# Allegro board 038RT-9068CJK8E-A100_0921.brd (continued)
## Nets (continued)
DGND: ATX1.3(GND(1)) ATX1.5(GND(2)) ATX1.7(GND(3)) ATX1.15(GND(4)) ATX1.17(GND(5)) ATX1.18(GND(6)) ATX1.19(GND(7)) ATX1.24(GND) ATX_PWCT.2 BD15.2 BD16.2 BD17.1 BD18.1 BDB1.2 BDB2.2 BDB3.2 BDB4.2 BDB5.2 BDB6.2 BDB7.2 BDB8.2 BDG15.2 BDG16.2 BDG17.1 BDG18.1 BDH11.1 BDH12.1 BDH13.1 BDH14.1 BDH21.1 BDH22.1 BDH23.1 BDH24.1 BST1.6(GND) C13.2 C18.2 C19.2 C75.1 C76.1 C78.2 C79.2 C119.2 C144.2 C145.2 C168.1 C169.1 C171.2 C172.2 C173.2 C174.1 C174.2 C175.1 C175.2 C176.1 C176.2 C177.1 C177.2 C178.1 C178.2 C181.2 C182.2 C185.2 C194.2 C197.2 C209.2 C213.2 C214.2 C217.2 C220.2 C292.2 C319.1 C319.2 C320.1 C320.2 C321.1 C321.2 C322.1 C322.2 C323.1 C323.2 C324.2 C325.2 C375.2 C379.2 C391.2 C399.2 C406.2 C418.2 C427.2 C436.2 C439.2 C440.2 C441.2 C442.2 CA1.2 CA2.2 CA3.2 CA4.2 CA5.2 CA6.2 CA11.2 CB243.2 CB244.2 CB246.2 CB247.2 CB249.2 CB250.2 CB253.2 CB254.2 CB256.2 CB257.2 CB259.2 CB260.2 CD1.2 CD2.2 CD3.2 CD4.2 CD5.2 CD6.2 CD7.2 CD8.2 CD9.2 CD10.2 CD11.2 CD12.2 CD13.2 CD14.2 CD15.2 CD16.2 CD17.2 CD18.2 CD19.2 CD20.2 CD21.2 CD22.2 CD23.2 CD24.2 CD25.2 CD26.2 CD27.2 CD28.2 CD29.2 CD30.2 CD31.2 CD32.2 CD33.2 CD34.2 CD35.2 CD36.2 CD37.2 CD38.2 CD39.2 CD40.2 CD41.2 CD42.2 CD43.2 CD44.2 CD45.2 CD46.2 CD47.2 CD48.2 CD49.2 CD50.2 CD51.2 CD52.2 CD53.2 CD54.2 CD55.2 CD56.2 CD57.2 CD58.2 CD59.2 CD60.2 CD61.2 CD62.2 CD63.2 CD64.2 CD65.2 CD66.2 CD67.2 CD68.2 CD69.2 CD70.2 CD71.2 CD72.2 CD73.2 CD74.2 CD75.2 CD76.2 CD77.2 CD78.2 CD79.2 CD80.2 CD81.2 CD82.2 CD83.2 CD84.2 CD85.2 CD86.2 CD87.2 CD88.2 CD89.2 CD91.2 CD92.2 CD93.2 CD94.2 CD95.2 CD97.2 CD98.2 CD99.2 CD100.2 CD104.2 CD105.2 CD106.2 CD107.2 CD108.2 CD109.2 CD110.2 CD111.2 CD112.2 CD113.2 CD115.2 CD116.2 CD117.2 CD118.2 CD119.2 CD120.2 CD121.2 CD122.2 CD123.2 CD124.2 CD125.2 CD126.2 CD127.2 CD128.2 CD129.2 CD130.2 CD131.2 CD132.2 CD133.2 CD134.2 CD135.2 CD136.2 CD137.2 CD138.2 CD139.2 CD140.2 CD141.2 CD142.2 CD143.2 CD144.2 CD145.2 CD146.2 CD147.2 CD148.2 CD149.2 CD150.2 CD151.2 CD152.2 CD154.2 CD155.2 CD156.2 CD157.2 CD158.2 CD159.2 CD160.2 CD161.2 CD162.2 CD163.2 CD164.2 CD165.2 CD166.2 CD167.2 CD168.2 CD169.2 CD170.2 CD171.2 CD172.2 CD173.2 CD174.2 CD175.2 CD176.2 CD177.2 CD178.2 CD179.2 CD180.2 CD181.2 CD182.2 CD183.2 CF1.2 CG1.2 CG2.2 CG3.2 CG4.2 CG5.2 CG6.2 CG7.2 CG8.2 CG9.2 CG10.2 CG11.2 CG12.2 CG13.2 CG14.2 CG15.2 CG16.2 CG17.2 CG18.2 CG19.2 CG20.2 CG21.2 CG22.2 CG23.2 CG24.2 CG25.2 CG26.2 CG27.2 CG28.2 CG29.2 CG30.2 CG31.2 CG32.2 CG33.2 CG34.2 CG35.2 CG36.2 CG37.2 CG38.2 CG39.2 CG40.2 CG41.2 CG42.2 CG43.2 CG44.2 CG45.2 CG46.2 CG47.2 CG48.2 CG49.2 CG50.2 CG51.2 CG52.2 CG53.2 CG54.2 CG55.2 CG56.2 CG57.2 CG58.2 CG59.2 CG60.2 CG61.2 CG62.2 CG63.2 CG64.2 CG65.2 CG66.2 CG67.2 CG68.2 CG69.2 CG70.2 CG71.2 CG72.2 CG73.2 CG74.2 CG75.2 CG76.2 CG77.2 CG78.2 CG79.2 CG80.2 CG81.2 CG82.2 CG83.2 CG84.2 CG85.2 CG86.2 CG87.2 CG88.2 CG89.2 CG91.2 CG92.2 CG93.2 CG94.2 CG95.2 CG97.2 CG98.2 CG99.2 CG100.2 CG101.2 CG102.2 CG103.2 CG104.2 CG105.2 CG106.2 CG107.2 CG108.2 CG109.2 CG110.2 CG111.2 CG112.2 CG113.2 CG115.2 CG116.2 CG117.2 CG118.2 CG119.2 CG120.2 CG121.2 CG122.2 CG123.2 CG124.2 CG125.2 CG126.2 CG127.2 CG128.2 CG129.2 CG130.2 CG131.2 CG132.2 CG133.2 CG134.2 CG135.2 CG136.2 CG137.2 CG138.2 CG139.2 CG140.2 CG141.2 CG142.2 CG143.2 CG144.2 CG145.2 CG146.2 CG147.2 CG148.2 CG149.2 CG150.2 CG151.2 CG152.2 CG154.2 CG155.2 CG156.2 CG158.2 CG159.2 CG161.2 CG162.2 CG163.2 CG164.2 CG165.2 CG166.2 CG167.2 CG169.2 CG170.2 CG171.2 CG172.2 CG173.2 CG174.2 CG178.2 CG179.2 CG180.2 CG181.2 CG182.2 CG183.2 CG326.2 CG327.2 CH11.2 CH21.2 CH131.2 CH141.2 CH142.2 CH152.2 CH153.1 CH154.1 CH241.2 CH242.2 CH252.2 CH253.1 CH254.1 CH1111.2 CH1112.2 CH1171.2 CH1172.2 CH1173.2 CH1174.2 CH1201.2 CH1202.2 CH1251.2 CH1252.2 CH1331.2 CH1332.2 CH1333.2 CH1334.2 CH1341.2 CH1342.2 CH1351.2 CH1352.2 CH1361.2 CH1362.2 CH1363.2 CH1364.2 CH1391.2 CH1392.2 CH1401.2 CH1402.2 CH1403.2 CH1404.2 CH1501.2 CH1502.2 CH1503.2 CH1504.2 CH1633.2 CH1634.2 CH2111.2 CH2112.2 CH2171.2 CH2172.2 CH2173.2 CH2174.2 CH2201.2 CH2202.2 CH2251.2 CH2252.2 CH2331.2 CH2341.2 CH2342.2 CH2351.2 CH2352.2 CH2361.2 CH2362.2 CH2363.2 CH2364.2 CH2391.2 CH2392.2 CH2401.2 CH2402.2 CH2403.2 CH2404.2 CH2501.2 CH2502.2 CH2503.2 CH2504.2 CH2633.2 CH2634.2 CIN1.2 CINX1.2 CM1.2 CM2.2 CM3.2 CM4.2 CM5.2 CM6.2 CM7.2 CM8.2 CM9.2 CM10.2 CM11.2 CM12.2 CM13.2 CM14.2 CM15.2 CM16.2 CON1.FG1 CON1.FG2 CON3.FG1 CON3.FG2 COUT0.2 COUT1.2 CS1.2 CS3.2 CS4.2 CS5.2 CSNS1.2 CSS1.2 CT1.2 GOLD0.A1(GND[01]) GOLD0.A9(GND[02]) GOLD0.A11(GND[03]) GOLD0.A14(GND[04]) GOLD0.A19(GND[05]) GOLD0.B2(GND[06]) GOLD0.B9(GND[07]) GOLD0.B10(GND[08]) GOLD0.B11(GND[09]) GOLD0.B19(GND[10]) GOLD0.C18(GND[11]) GOLD0.C19(GND[12]) GOLD0.D9(GND[13]) GOLD0.D10(GND[14]) GOLD0.D12(GND[15]) GOLD0.D13(GND[16]) GOLD0.D14(GND[17]) GOLD0.E8(GND[18]) GOLD0.E9(GND[19]) GOLD0.E10(GND[20]) GOLD0.E12(GND[21]) GOLD0.E13(GND[22]) GOLD0.E14(GND[23]) GOLD0.G9(GND[24]) GOLD0.G10(GND[25]) GOLD0.G11(GND[26]) GOLD0.G12(GND[27]) GOLD0.G13(GND[28]) GOLD0.G18(P5_RXER) GOLD0.H1(P0_RXER) GOLD0.H4(AGND) GOLD0.H10(GND[29]) GOLD0.H11(GND[30]) GOLD0.J10(GND[31]) GOLD0.J11(GND[32]) GOLD0.K10(GND[33]) GOLD0.K11(GND[34]) GOLD0.L10(GND[35]) GOLD0.L11(GND[36]) GOLD0.P19(P1_RXER) GOLD0.R10(GND[37]) GOLD0.R11(GND[38]) GOLD0.R12(GND[39]) GOLD0.R13(GND[40]) GOLD0.R14(GND[41]) GOLD0.T7(GND_SERDES[01]) GOLD0.T8(GND_SERDES[02]) GOLD0.T11(GND_SERDES[03]) GOLD0.T12(GND_SERDES[04]) GOLD0.W1(GND[42]) GOLD0.W2(GND_SERDES[05]) GOLD0.W7(GND_SERDES[06]) GOLD0.W12(GND_SGMII[01]) GOLD0.W17(GND_SGMII[02]) GOLD0.W19(GND[43]) GOLD1.A1(GND[01]) GOLD1.A9(GND[02]) GOLD1.A11(GND[03]) GOLD1.A14(GND[04]) GOLD1.A19(GND[05]) GOLD1.B2(GND[06]) GOLD1.B9(GND[07]) GOLD1.B10(GND[08]) GOLD1.B11(GND[09]) GOLD1.B19(GND[10]) GOLD1.C18(GND[11]) GOLD1.C19(GND[12]) GOLD1.D9(GND[13]) GOLD1.D10(GND[14]) GOLD1.D12(GND[15]) GOLD1.D13(GND[16]) GOLD1.D14(GND[17]) GOLD1.E8(GND[18]) GOLD1.E9(GND[19]) GOLD1.E10(GND[20]) GOLD1.E12(GND[21]) GOLD1.E13(GND[22]) GOLD1.E14(GND[23]) GOLD1.G9(GND[24]) GOLD1.G10(GND[25]) GOLD1.G11(GND[26]) GOLD1.G12(GND[27]) GOLD1.G13(GND[28]) GOLD1.G18(P5_RXER) GOLD1.H1(P0_RXER) GOLD1.H4(AGND) GOLD1.H10(GND[29]) GOLD1.H11(GND[30]) GOLD1.J10(GND[31]) GOLD1.J11(GND[32]) GOLD1.K10(GND[33]) GOLD1.K11(GND[34]) GOLD1.L10(GND[35]) GOLD1.L11(GND[36]) GOLD1.P19(P1_RXER) GOLD1.R10(GND[37]) GOLD1.R11(GND[38]) GOLD1.R12(GND[39]) GOLD1.R13(GND[40]) GOLD1.R14(GND[41]) GOLD1.T7(GND_SERDES[01]) GOLD1.T8(GND_SERDES[02]) GOLD1.T11(GND_SERDES[03]) GOLD1.T12(GND_SERDES[04]) GOLD1.W1(GND[42]) GOLD1.W2(GND_SERDES[05]) GOLD1.W7(GND_SERDES[06]) GOLD1.W12(GND_SGMII[01]) GOLD1.W17(GND_SGMII[02]) GOLD1.W19(GND[43]) GOLD2.A1(GND[01]) GOLD2.A9(GND[02]) GOLD2.A11(GND[03]) GOLD2.A14(GND[04]) GOLD2.A19(GND[05]) GOLD2.B2(GND[06]) GOLD2.B9(GND[07]) GOLD2.B10(GND[08]) GOLD2.B11(GND[09]) GOLD2.B19(GND[10]) GOLD2.C18(GND[11]) GOLD2.C19(GND[12]) GOLD2.D9(GND[13]) GOLD2.D10(GND[14]) GOLD2.D12(GND[15]) GOLD2.D13(GND[16]) GOLD2.D14(GND[17]) GOLD2.E8(GND[18]) GOLD2.E9(GND[19]) GOLD2.E10(GND[20]) GOLD2.E12(GND[21]) GOLD2.E13(GND[22]) GOLD2.E14(GND[23]) GOLD2.G9(GND[24]) GOLD2.G10(GND[25]) GOLD2.G11(GND[26]) GOLD2.G12(GND[27]) GOLD2.G13(GND[28]) GOLD2.G18(P5_RXER) GOLD2.H1(P0_RXER) GOLD2.H4(AGND) GOLD2.H10(GND[29]) GOLD2.H11(GND[30]) GOLD2.J10(GND[31]) GOLD2.J11(GND[32]) GOLD2.K10(GND[33]) GOLD2.K11(GND[34]) GOLD2.L10(GND[35]) GOLD2.L11(GND[36]) GOLD2.P19(P1_RXER) GOLD2.R10(GND[37]) GOLD2.R11(GND[38]) GOLD2.R12(GND[39]) GOLD2.R13(GND[40]) GOLD2.R14(GND[41]) GOLD2.T7(GND_SERDES[01]) GOLD2.T8(GND_SERDES[02]) GOLD2.T11(GND_SERDES[03]) GOLD2.T12(GND_SERDES[04]) GOLD2.W1(GND[42]) GOLD2.W2(GND_SERDES[05]) GOLD2.W7(GND_SERDES[06]) GOLD2.W12(GND_SGMII[01]) GOLD2.W17(GND_SGMII[02]) GOLD2.W19(GND[43]) GOLD3.A1(GND[01]) GOLD3.A9(GND[02]) GOLD3.A11(GND[03]) GOLD3.A14(GND[04]) GOLD3.A19(GND[05]) GOLD3.B2(GND[06]) GOLD3.B9(GND[07]) GOLD3.B10(GND[08]) GOLD3.B11(GND[09]) GOLD3.B19(GND[10]) GOLD3.C18(GND[11]) GOLD3.C19(GND[12]) GOLD3.D9(GND[13]) GOLD3.D10(GND[14]) GOLD3.D12(GND[15]) GOLD3.D13(GND[16]) GOLD3.D14(GND[17]) GOLD3.E8(GND[18]) GOLD3.E9(GND[19]) GOLD3.E10(GND[20]) GOLD3.E12(GND[21]) GOLD3.E13(GND[22]) GOLD3.E14(GND[23]) GOLD3.G9(GND[24]) GOLD3.G10(GND[25]) GOLD3.G11(GND[26]) GOLD3.G12(GND[27]) GOLD3.G13(GND[28]) GOLD3.G18(P5_RXER) GOLD3.H1(P0_RXER) GOLD3.H4(AGND) GOLD3.H10(GND[29]) GOLD3.H11(GND[30]) GOLD3.J10(GND[31]) GOLD3.J11(GND[32]) GOLD3.K10(GND[33]) GOLD3.K11(GND[34]) GOLD3.L10(GND[35]) GOLD3.L11(GND[36]) GOLD3.P19(P1_RXER) GOLD3.R10(GND[37]) GOLD3.R11(GND[38]) GOLD3.R12(GND[39]) GOLD3.R13(GND[40]) GOLD3.R14(GND[41]) GOLD3.T7(GND_SERDES[01]) GOLD3.T8(GND_SERDES[02]) GOLD3.T11(GND_SERDES[03]) GOLD3.T12(GND_SERDES[04]) GOLD3.W1(GND[42]) GOLD3.W2(GND_SERDES[05]) GOLD3.W7(GND_SERDES[06]) GOLD3.W12(GND_SGMII[01]) GOLD3.W17(GND_SGMII[02]) GOLD3.W19(GND[43]) HOST1.15(SWR_GNDA) HOST1.45(USB_GNDA) HOST1.EP(EPAD) HOST1.G1 HOST1.G2 HOST1.G3 HOST1.G4 HOST1.G5 HOST1.G6 HOST1.G7 HOST1.G8 HOST1.G9 HOST1.G10 HOST1.G11 HOST1.G12 HOST1.G13 HOST1.G14 HOST1.G15 HOST1.G16 HOST1.G17 HOST1.G18 HOST1.G19 HOST1.G20 HOST1.G21 HOST1.G22 HOST1.G23 HOST1.G24 HOST2.15(SWR_GNDA) HOST2.45(USB_GNDA) HOST2.EP(EPAD) HOST2.G1 HOST2.G2 HOST2.G3 HOST2.G4 HOST2.G5 HOST2.G6 HOST2.G7 HOST2.G8 HOST2.G9 HOST2.G10 HOST2.G11 HOST2.G12 HOST2.G13 HOST2.G14 HOST2.G15 HOST2.G16 HOST2.G17 HOST2.G18 HOST2.G19 HOST2.G20 HOST2.G21 HOST2.G22 HOST2.G23 HOST2.G24 K6.10(NC2) K144.4(GND[1]) K144.14(GND[2]) K144.19(GND[3]) K144.21(GND[4]) K144.39(GND[5]) K144.41(GND[6]) K144.EP K145.4(GND[1]) K145.14(GND[2]) K145.19(GND[3]) K145.21(GND[4]) K145.39(GND[5]) K145.41(GND[6]) K145.EP K183.7 K184.4(GND[1]) K184.14(GND[2]) K184.19(GND[3]) K184.21(GND[4]) K184.39(GND[5]) K184.41(GND[6]) K184.EP K213.4(GND[1]) K213.14(GND[2]) K213.19(GND[3]) K213.21(GND[4]) K213.39(GND[5]) K213.41(GND[6]) K213.EP K214.4(GND[1]) K214.14(GND[2]) K214.19(GND[3]) K214.21(GND[4]) K214.39(GND[5]) K214.41(GND[6]) K214.EP K217.4(GND[1]) K217.14(GND[2]) K217.19(GND[3]) K217.21(GND[4]) K217.39(GND[5]) K217.41(GND[6]) K217.EP LDOB2.1(GND) MUX1.13(GND) MUX2.13(GND) MUX3.13(GND) MUX4.13(GND) MUX5.13(GND) MUX6.13(GND) MUX7.13(GND) MUX8.13(GND) MUX9.13(GND) MUX10.13(GND) MUX11.13(GND) MUX12.13(GND) MUX13.13(GND) MUX14.13(GND) MUX15.13(GND) MUX16.13(GND) R2.2 R3.2 R5.2 R6.2 R7.2 R9.2 R10.2 R19.2 R24.2 R26.2 R56.2 R62.2 R69.2 R105.2 R110.2 R138.1 R264.2 R275.2 R281.2 R282.2 R309.2 R343.2 R345.2 R456.2 R500.2 R519.2 R538.2 R552.1 R568.2 R569.2 R570.2 R571.2 R572.2 R573.2 R574.2 R575.2 R576.2 R577.2 RB8.2 RFB1.2 RH121.1 RH129.2 RH172.1 RH221.1 RH229.2 RH272.1 RH1511.2 RH2511.2 RL10.1 RL15.2 RL16.2 RL18.2 RL19.1 RL21.2 RL37.1 RL39.2 RL41.1 RL42.2 RL43.1 RL44.2 RL45.1 RRB1.2 RRB2.2 RRB3.2 RRB4.2 RRB5.2 RRB6.2 RRB7.2 RRB8.2 RRB9.2 RRB10.2 RRB11.2 RRB12.2 RRB13.2 RRB14.2 RRB15.2 RRB16.2 RRG49.2 RRG52.2 RRG54.2 RRG56.2 RRG58.2 RRG59.2 RRG92.2 RRG94.2 RRG96.2 RSG104.2 RSG105.2 RSG114.2 RSG115.2 RSNS1.2 RT1.2 RUV1.2 S0_DGND1.1(TP) S0_DGND2.1(TP) S0_DGND3.1(TP) S0_DGND4.1(TP) S1_DGND1.1(TP) S1_DGND2.1(TP) S1_DGND3.1(TP) S1_DGND4.1(TP) S2_DGND1.1(TP) S2_DGND2.1(TP) S2_DGND3.1(TP) S2_DGND4.1(TP) S3_DGND1.1(TP) S3_DGND2.1(TP) S3_DGND3.1(TP) S3_DGND4.1(TP) SG0_DGND1.1(TP) SG0_DGND2.1(TP) SG0_DGND3.1(TP) SG0_DGND4.1(TP) SG0_GPIOA1_2.2 SG0_GPIOA1_2.4 SG0_SWR1_FB.2 SG1_DGND1.1(TP) SG1_DGND2.1(TP) SG1_DGND3.1(TP) SG1_DGND4.1(TP) SG1_GPIOA1_2.2 SG1_GPIOA1_2.4 SG1_SWR1_FB.2 SG2_DGND1.1(TP) SG2_DGND2.1(TP) SG2_DGND3.1(TP) SG2_DGND4.1(TP) SG2_GPIOA1_2.2 SG2_GPIOA1_2.4 SG2_SWR1_FB.2 SG3_DGND1.1(TP) SG3_DGND2.1(TP) SG3_DGND3.1(TP) SG3_DGND4.1(TP) SG3_GPIOA1_2.2 SG3_GPIOA1_2.4 SG3_SWR1_FB.2 SH01_DGND1.1(TP) SH01_DGND2.1(TP) SH01_DGND3.1(TP) SH01_DGND4.1(TP) SH02_DGND1.1(TP) SH02_DGND2.1(TP) SH02_DGND3.1(TP) SH02_DGND4.1(TP) SH11_DGND1.1(TP) SH11_DGND2.1(TP) SH11_DGND3.1(TP) SH11_DGND4.1(TP) SH12_DGND1.1(TP) SH12_DGND2.1(TP) SH12_DGND3.1(TP) SH12_DGND4.1(TP) SH21_DGND1.1(TP) SH21_DGND2.1(TP) SH21_DGND3.1(TP) SH21_DGND4.1(TP) SH22_DGND1.1(TP) SH22_DGND2.1(TP) SH22_DGND3.1(TP) SH22_DGND4.1(TP) SH31_DGND1.1(TP) SH31_DGND2.1(TP) SH31_DGND3.1(TP) SH31_DGND4.1(TP) SH32_DGND1.1(TP) SH32_DGND2.1(TP) SH32_DGND3.1(TP) SH32_DGND4.1(TP) SITE0.A1(GND[01]) SITE0.A9(GND[02]) SITE0.A11(GND[03]) SITE0.A14(GND[04]) SITE0.A19(GND[05]) SITE0.B2(GND[06]) SITE0.B9(GND[07]) SITE0.B10(GND[08]) SITE0.B11(GND[09]) SITE0.B19(GND[10]) SITE0.C18(GND[11]) SITE0.C19(GND[12]) SITE0.D9(GND[13]) SITE0.D10(GND[14]) SITE0.D12(GND[15]) SITE0.D13(GND[16]) SITE0.D14(GND[17]) SITE0.E8(GND[18]) SITE0.E9(GND[19]) SITE0.E10(GND[20]) SITE0.E12(GND[21]) SITE0.E13(GND[22]) SITE0.E14(GND[23]) SITE0.G9(GND[24]) SITE0.G10(GND[25]) SITE0.G11(GND[26]) SITE0.G12(GND[27]) SITE0.G13(GND[28]) SITE0.H4(AGND) SITE0.H10(GND[29]) SITE0.H11(GND[30]) SITE0.J10(GND[31]) SITE0.J11(GND[32]) SITE0.K10(GND[33]) SITE0.K11(GND[34]) SITE0.L10(GND[35]) SITE0.L11(GND[36]) SITE0.R10(GND[37]) SITE0.R11(GND[38]) SITE0.R12(GND[39]) SITE0.R13(GND[40]) SITE0.R14(GND[41]) SITE0.T7(GND_SERDES[01]) SITE0.T8(GND_SERDES[02]) SITE0.T11(GND_SERDES[03]) SITE0.T12(GND_SERDES[04]) SITE0.W1(GND[42]) SITE0.W2(GND_SERDES[05]) SITE0.W7(GND_SERDES[06]) SITE0.W12(GND_SGMII[01]) SITE0.W17(GND_SGMII[02]) SITE0.W19(GND[43]) SITE1.A1(GND[01]) SITE1.A9(GND[02]) SITE1.A11(GND[03]) SITE1.A14(GND[04]) SITE1.A19(GND[05]) SITE1.B2(GND[06]) SITE1.B9(GND[07]) SITE1.B10(GND[08]) SITE1.B11(GND[09]) SITE1.B19(GND[10]) SITE1.C18(GND[11]) SITE1.C19(GND[12]) SITE1.D9(GND[13]) SITE1.D10(GND[14]) SITE1.D12(GND[15]) SITE1.D13(GND[16]) SITE1.D14(GND[17]) SITE1.E8(GND[18]) SITE1.E9(GND[19]) SITE1.E10(GND[20]) SITE1.E12(GND[21]) SITE1.E13(GND[22]) SITE1.E14(GND[23]) SITE1.G9(GND[24]) SITE1.G10(GND[25]) SITE1.G11(GND[26]) SITE1.G12(GND[27]) SITE1.G13(GND[28]) SITE1.H4(AGND) SITE1.H10(GND[29]) SITE1.H11(GND[30]) SITE1.J10(GND[31]) SITE1.J11(GND[32]) SITE1.K10(GND[33]) SITE1.K11(GND[34]) SITE1.L10(GND[35]) SITE1.L11(GND[36]) SITE1.R10(GND[37]) SITE1.R11(GND[38]) SITE1.R12(GND[39]) SITE1.R13(GND[40]) SITE1.R14(GND[41]) SITE1.T7(GND_SERDES[01]) SITE1.T8(GND_SERDES[02]) SITE1.T11(GND_SERDES[03]) SITE1.T12(GND_SERDES[04]) SITE1.W1(GND[42]) SITE1.W2(GND_SERDES[05]) SITE1.W7(GND_SERDES[06]) SITE1.W12(GND_SGMII[01]) SITE1.W17(GND_SGMII[02]) SITE1.W19(GND[43]) SITE2.A1(GND[01]) SITE2.A9(GND[02]) SITE2.A11(GND[03]) SITE2.A14(GND[04]) SITE2.A19(GND[05]) SITE2.B2(GND[06]) SITE2.B9(GND[07]) SITE2.B10(GND[08]) SITE2.B11(GND[09]) SITE2.B19(GND[10]) SITE2.C18(GND[11]) SITE2.C19(GND[12]) SITE2.D9(GND[13]) SITE2.D10(GND[14]) SITE2.D12(GND[15]) SITE2.D13(GND[16]) SITE2.D14(GND[17]) SITE2.E8(GND[18]) SITE2.E9(GND[19]) SITE2.E10(GND[20]) SITE2.E12(GND[21]) SITE2.E13(GND[22]) SITE2.E14(GND[23]) SITE2.G9(GND[24]) SITE2.G10(GND[25]) SITE2.G11(GND[26]) SITE2.G12(GND[27]) SITE2.G13(GND[28]) SITE2.H4(AGND) SITE2.H10(GND[29]) SITE2.H11(GND[30]) SITE2.J10(GND[31]) SITE2.J11(GND[32]) SITE2.K10(GND[33]) SITE2.K11(GND[34]) SITE2.L10(GND[35]) SITE2.L11(GND[36]) SITE2.R10(GND[37]) SITE2.R11(GND[38]) SITE2.R12(GND[39]) SITE2.R13(GND[40]) SITE2.R14(GND[41]) SITE2.T7(GND_SERDES[01]) SITE2.T8(GND_SERDES[02]) SITE2.T11(GND_SERDES[03]) SITE2.T12(GND_SERDES[04]) SITE2.W1(GND[42]) SITE2.W2(GND_SERDES[05]) SITE2.W7(GND_SERDES[06]) SITE2.W12(GND_SGMII[01]) SITE2.W17(GND_SGMII[02]) SITE2.W19(GND[43]) SITE3.A1(GND[01]) SITE3.A9(GND[02]) SITE3.A11(GND[03]) SITE3.A14(GND[04]) SITE3.A19(GND[05]) SITE3.B2(GND[06]) SITE3.B9(GND[07]) SITE3.B10(GND[08]) SITE3.B11(GND[09]) SITE3.B19(GND[10]) SITE3.C18(GND[11]) SITE3.C19(GND[12]) SITE3.D9(GND[13]) SITE3.D10(GND[14]) SITE3.D12(GND[15]) SITE3.D13(GND[16]) SITE3.D14(GND[17]) SITE3.E8(GND[18]) SITE3.E9(GND[19]) SITE3.E10(GND[20]) SITE3.E12(GND[21]) SITE3.E13(GND[22]) SITE3.E14(GND[23]) SITE3.G9(GND[24]) SITE3.G10(GND[25]) SITE3.G11(GND[26]) SITE3.G12(GND[27]) SITE3.G13(GND[28]) SITE3.H4(AGND) SITE3.H10(GND[29]) SITE3.H11(GND[30]) SITE3.J10(GND[31]) SITE3.J11(GND[32]) SITE3.K10(GND[33]) SITE3.K11(GND[34]) SITE3.L10(GND[35]) SITE3.L11(GND[36]) SITE3.R10(GND[37]) SITE3.R11(GND[38]) SITE3.R12(GND[39]) SITE3.R13(GND[40]) SITE3.R14(GND[41]) SITE3.T7(GND_SERDES[01]) SITE3.T8(GND_SERDES[02]) SITE3.T11(GND_SERDES[03]) SITE3.T12(GND_SERDES[04]) SITE3.W1(GND[42]) SITE3.W2(GND_SERDES[05]) SITE3.W7(GND_SERDES[06]) SITE3.W12(GND_SGMII[01]) SITE3.W17(GND_SGMII[02]) SITE3.W19(GND[43]) SLOT0-DOWN.A2 SLOT0-DOWN.A4 SLOT0-DOWN.A6 SLOT0-DOWN.A8 SLOT0-DOWN.A10 SLOT0-DOWN.A12 SLOT0-DOWN.A14 SLOT0-DOWN.A16 SLOT0-DOWN.A18 SLOT0-DOWN.A20 SLOT0-DOWN.A22 SLOT0-DOWN.A24 SLOT0-DOWN.A26 SLOT0-DOWN.B1 SLOT0-DOWN.B3 SLOT0-DOWN.B5 SLOT0-DOWN.B7 SLOT0-DOWN.B9 SLOT0-DOWN.B11 SLOT0-DOWN.B13 SLOT0-DOWN.B15 SLOT0-DOWN.B17 SLOT0-DOWN.B19 SLOT0-DOWN.B21 SLOT0-DOWN.B23 SLOT0-DOWN.B25 SLOT0-DOWN.B27 SLOT0-DOWN.C2 SLOT0-DOWN.C4 SLOT0-DOWN.C6 SLOT0-DOWN.C8 SLOT0-DOWN.C10 SLOT0-DOWN.C12 SLOT0-DOWN.C14 SLOT0-DOWN.C16 SLOT0-DOWN.C18 SLOT0-DOWN.C20 SLOT0-DOWN.C22 SLOT0-DOWN.C24 SLOT0-DOWN.C26 SLOT0-DOWN.D5 SLOT0-DOWN.D7 SLOT0-DOWN.D9 SLOT0-DOWN.D11 SLOT0-DOWN.D13 SLOT0-DOWN.D15 SLOT0-DOWN.D17 SLOT0-DOWN.D19 SLOT0-DOWN.D21 SLOT0-DOWN.D23 SLOT0-DOWN.D25 SLOT0-DOWN.E1 SLOT0-DOWN.E2 SLOT0-DOWN.E4 SLOT0-DOWN.E6 SLOT0-DOWN.E8 SLOT0-DOWN.E10 SLOT0-DOWN.E12 SLOT0-DOWN.E14 SLOT0-DOWN.E16 SLOT0-DOWN.E18 SLOT0-DOWN.E20 SLOT0-DOWN.E22 SLOT0-DOWN.E24 SLOT0-DOWN.E26 SLOT0-DOWN.F1 SLOT0-DOWN.F3 SLOT0-DOWN.F5 SLOT0-DOWN.F7 SLOT0-DOWN.F9 SLOT0-DOWN.F11 SLOT0-DOWN.F13 SLOT0-DOWN.F15 SLOT0-DOWN.F17 SLOT0-DOWN.F19 SLOT0-DOWN.F21 SLOT0-DOWN.F23 SLOT0-DOWN.F25 SLOT0-UP.A1 SLOT0-UP.A3 SLOT0-UP.A5 SLOT0-UP.A7 SLOT0-UP.A9 SLOT0-UP.A11 SLOT0-UP.A13 SLOT0-UP.A15 SLOT0-UP.A17 SLOT0-UP.A19 SLOT0-UP.A21 SLOT0-UP.A23 SLOT0-UP.A25 SLOT0-UP.A27 SLOT0-UP.B2 SLOT0-UP.B4 SLOT0-UP.B6 SLOT0-UP.B8 SLOT0-UP.B10 SLOT0-UP.B12 SLOT0-UP.B14 SLOT0-UP.B16 SLOT0-UP.B18 SLOT0-UP.B20 SLOT0-UP.B22 SLOT0-UP.B24 SLOT0-UP.B26 SLOT0-UP.C1 SLOT0-UP.C3 SLOT0-UP.C5 SLOT0-UP.C7 SLOT0-UP.C9 SLOT0-UP.C11 SLOT0-UP.C13 SLOT0-UP.C15 SLOT0-UP.C17 SLOT0-UP.C19 SLOT0-UP.C21 SLOT0-UP.C23 SLOT0-UP.C25 SLOT0-UP.C27 SLOT0-UP.D2 SLOT0-UP.D4 SLOT0-UP.D6 SLOT0-UP.D8 SLOT0-UP.D10 SLOT0-UP.D12 SLOT0-UP.D14 SLOT0-UP.D16 SLOT0-UP.D18 SLOT0-UP.D20 SLOT0-UP.D22 SLOT0-UP.D24 SLOT0-UP.D26 SLOT0-UP.E2 SLOT0-UP.E4 SLOT0-UP.E6 SLOT0-UP.E8 SLOT0-UP.E10 SLOT0-UP.E12 SLOT0-UP.E14 SLOT0-UP.E16 SLOT0-UP.E18 SLOT0-UP.E20 SLOT0-UP.E22 SLOT0-UP.E24 SLOT0-UP.E26 SLOT0-UP.F2 SLOT0-UP.F4 SLOT0-UP.F6 SLOT0-UP.F8 SLOT0-UP.F10 SLOT0-UP.F12 SLOT0-UP.F14 SLOT0-UP.F16 SLOT0-UP.F18 SLOT0-UP.F20 SLOT0-UP.F22 SLOT0-UP.F24 SLOT0-UP.F26 SLOT1-DOWN.A2 SLOT1-DOWN.A4 SLOT1-DOWN.A6 SLOT1-DOWN.A8 SLOT1-DOWN.A10 SLOT1-DOWN.A12 SLOT1-DOWN.A14 SLOT1-DOWN.A16 SLOT1-DOWN.A18 SLOT1-DOWN.A20 SLOT1-DOWN.A22 SLOT1-DOWN.A24 SLOT1-DOWN.A26 SLOT1-DOWN.B1 SLOT1-DOWN.B3 SLOT1-DOWN.B5 SLOT1-DOWN.B7 SLOT1-DOWN.B9 SLOT1-DOWN.B11 SLOT1-DOWN.B13 SLOT1-DOWN.B15 SLOT1-DOWN.B17 SLOT1-DOWN.B19 SLOT1-DOWN.B21 SLOT1-DOWN.B23 SLOT1-DOWN.B25 SLOT1-DOWN.B27 SLOT1-DOWN.C2 SLOT1-DOWN.C4 SLOT1-DOWN.C6 SLOT1-DOWN.C8 SLOT1-DOWN.C10 SLOT1-DOWN.C12 SLOT1-DOWN.C14 SLOT1-DOWN.C16 SLOT1-DOWN.C18 SLOT1-DOWN.C20 SLOT1-DOWN.C22 SLOT1-DOWN.C24 SLOT1-DOWN.C26 SLOT1-DOWN.D5 SLOT1-DOWN.D7 SLOT1-DOWN.D9 SLOT1-DOWN.D11 SLOT1-DOWN.D13 SLOT1-DOWN.D15 SLOT1-DOWN.D17 SLOT1-DOWN.D19 SLOT1-DOWN.D21 SLOT1-DOWN.D23 SLOT1-DOWN.D25 SLOT1-DOWN.E1 SLOT1-DOWN.E2 SLOT1-DOWN.E4 SLOT1-DOWN.E6 SLOT1-DOWN.E8 SLOT1-DOWN.E10 SLOT1-DOWN.E12 SLOT1-DOWN.E14 SLOT1-DOWN.E16 SLOT1-DOWN.E18 SLOT1-DOWN.E20 SLOT1-DOWN.E22 SLOT1-DOWN.E24 SLOT1-DOWN.E26 SLOT1-DOWN.F1 SLOT1-DOWN.F3 SLOT1-DOWN.F5 SLOT1-DOWN.F7 SLOT1-DOWN.F9 SLOT1-DOWN.F11 SLOT1-DOWN.F13 SLOT1-DOWN.F15 SLOT1-DOWN.F17 SLOT1-DOWN.F19 SLOT1-DOWN.F21 SLOT1-DOWN.F23 SLOT1-DOWN.F25 SLOT1-UP.A1 SLOT1-UP.A3 SLOT1-UP.A5 SLOT1-UP.A7 SLOT1-UP.A9 SLOT1-UP.A11 SLOT1-UP.A13 SLOT1-UP.A15 SLOT1-UP.A17 SLOT1-UP.A19 SLOT1-UP.A21 SLOT1-UP.A23 SLOT1-UP.A25 SLOT1-UP.A27 SLOT1-UP.B2 SLOT1-UP.B4 SLOT1-UP.B6 SLOT1-UP.B8 SLOT1-UP.B10 SLOT1-UP.B12 SLOT1-UP.B14 SLOT1-UP.B16 SLOT1-UP.B18 SLOT1-UP.B20 SLOT1-UP.B22 SLOT1-UP.B24 SLOT1-UP.B26 SLOT1-UP.C1 SLOT1-UP.C3 SLOT1-UP.C5 SLOT1-UP.C7 SLOT1-UP.C9 SLOT1-UP.C11 SLOT1-UP.C13 SLOT1-UP.C15 SLOT1-UP.C17 SLOT1-UP.C19 SLOT1-UP.C21 SLOT1-UP.C23 SLOT1-UP.C25 SLOT1-UP.C27 SLOT1-UP.D2 SLOT1-UP.D4 SLOT1-UP.D6 SLOT1-UP.D8 SLOT1-UP.D10 